# KiCad board panel9.kicad_pcb
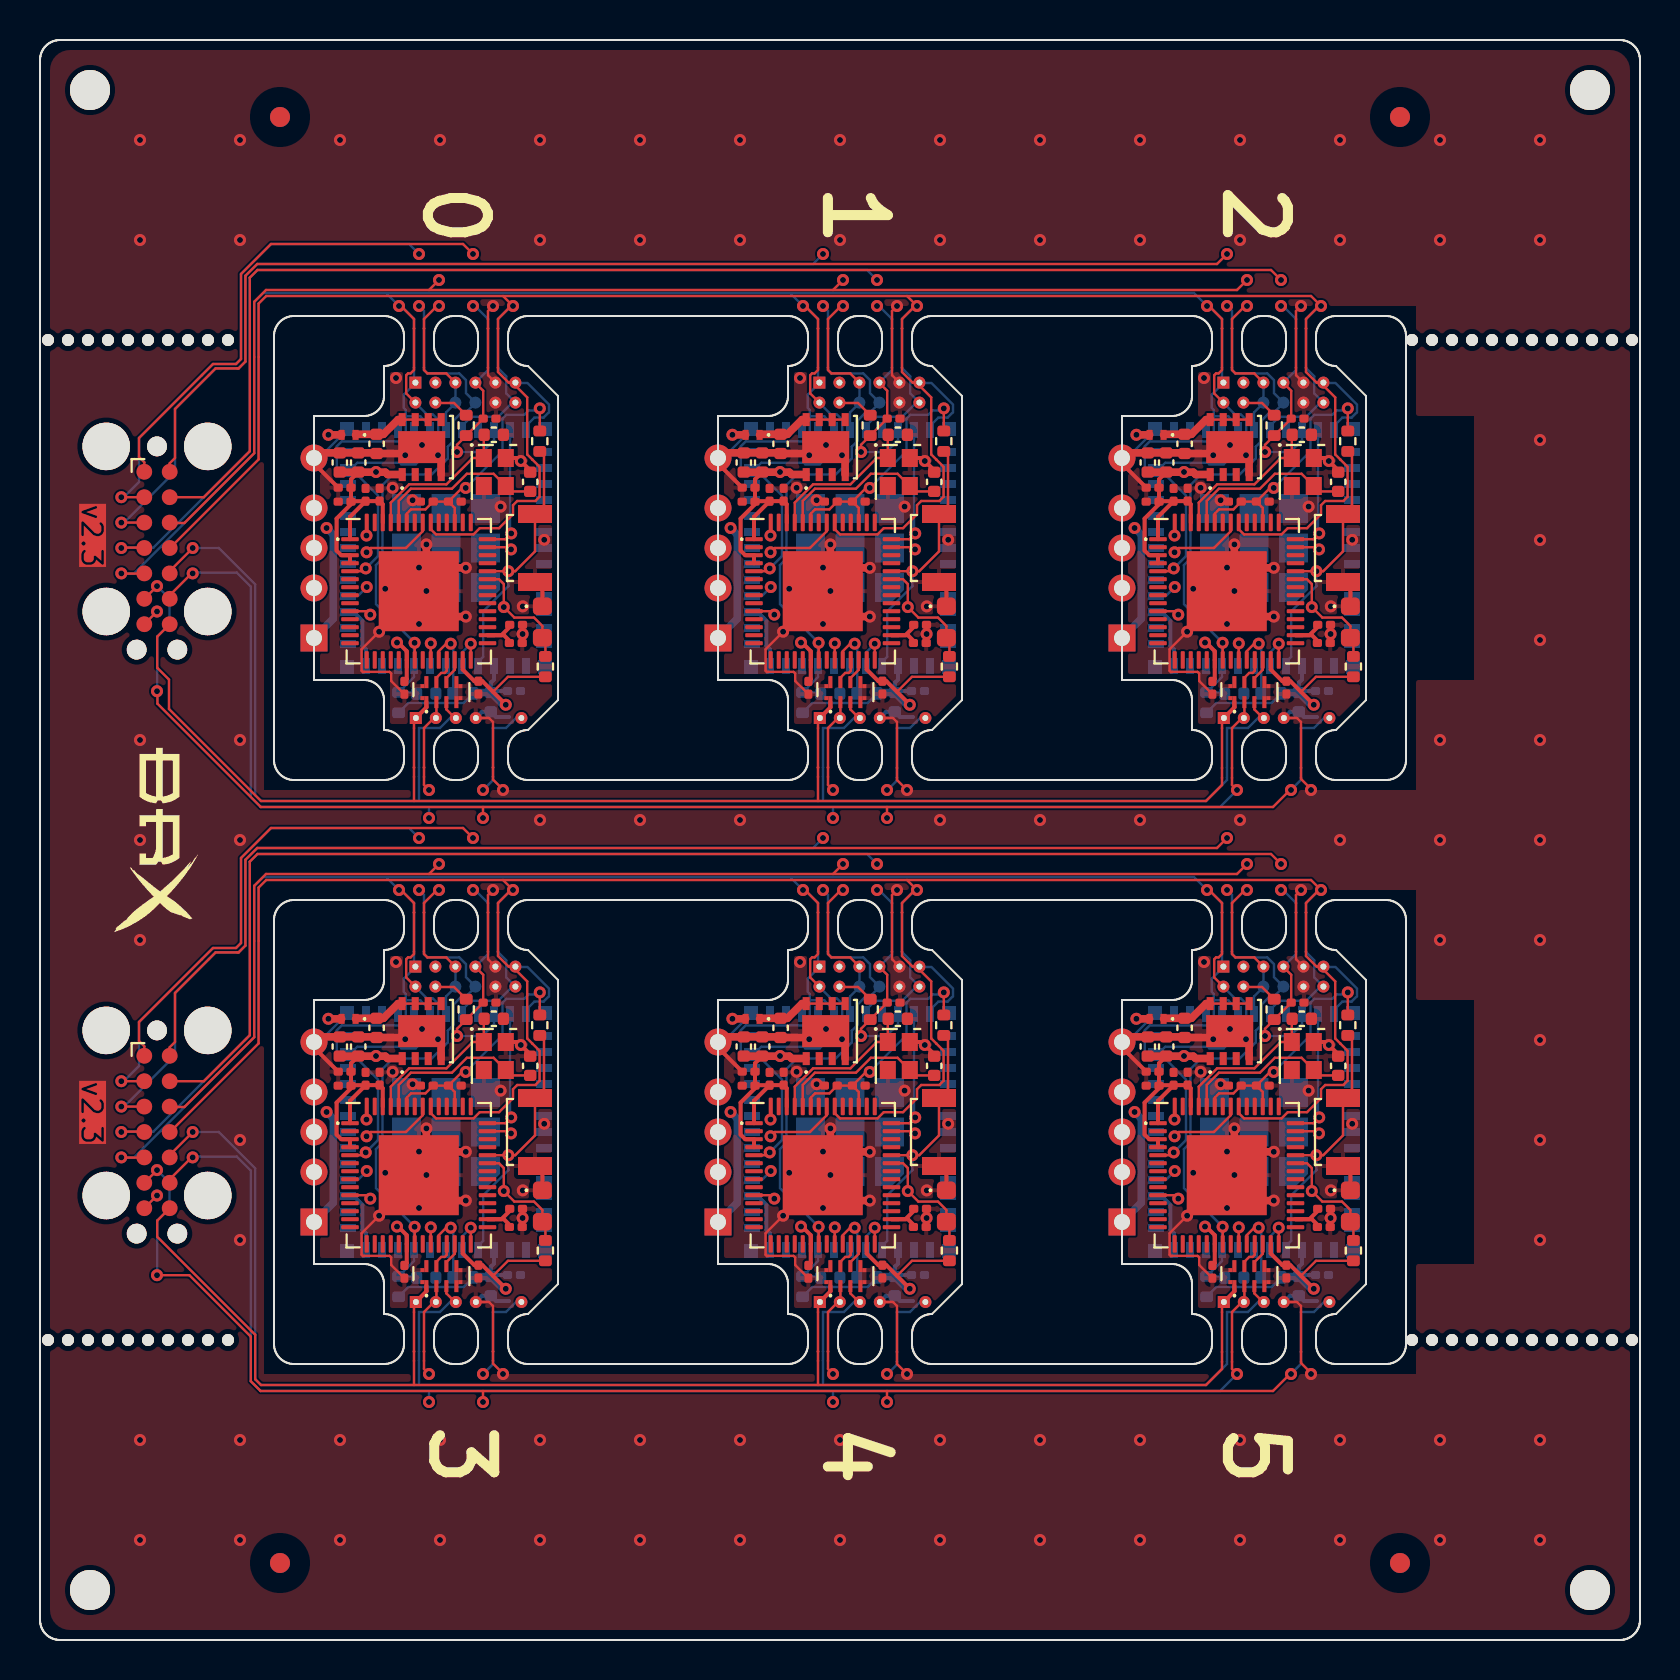
[diagram p0: board, top side]
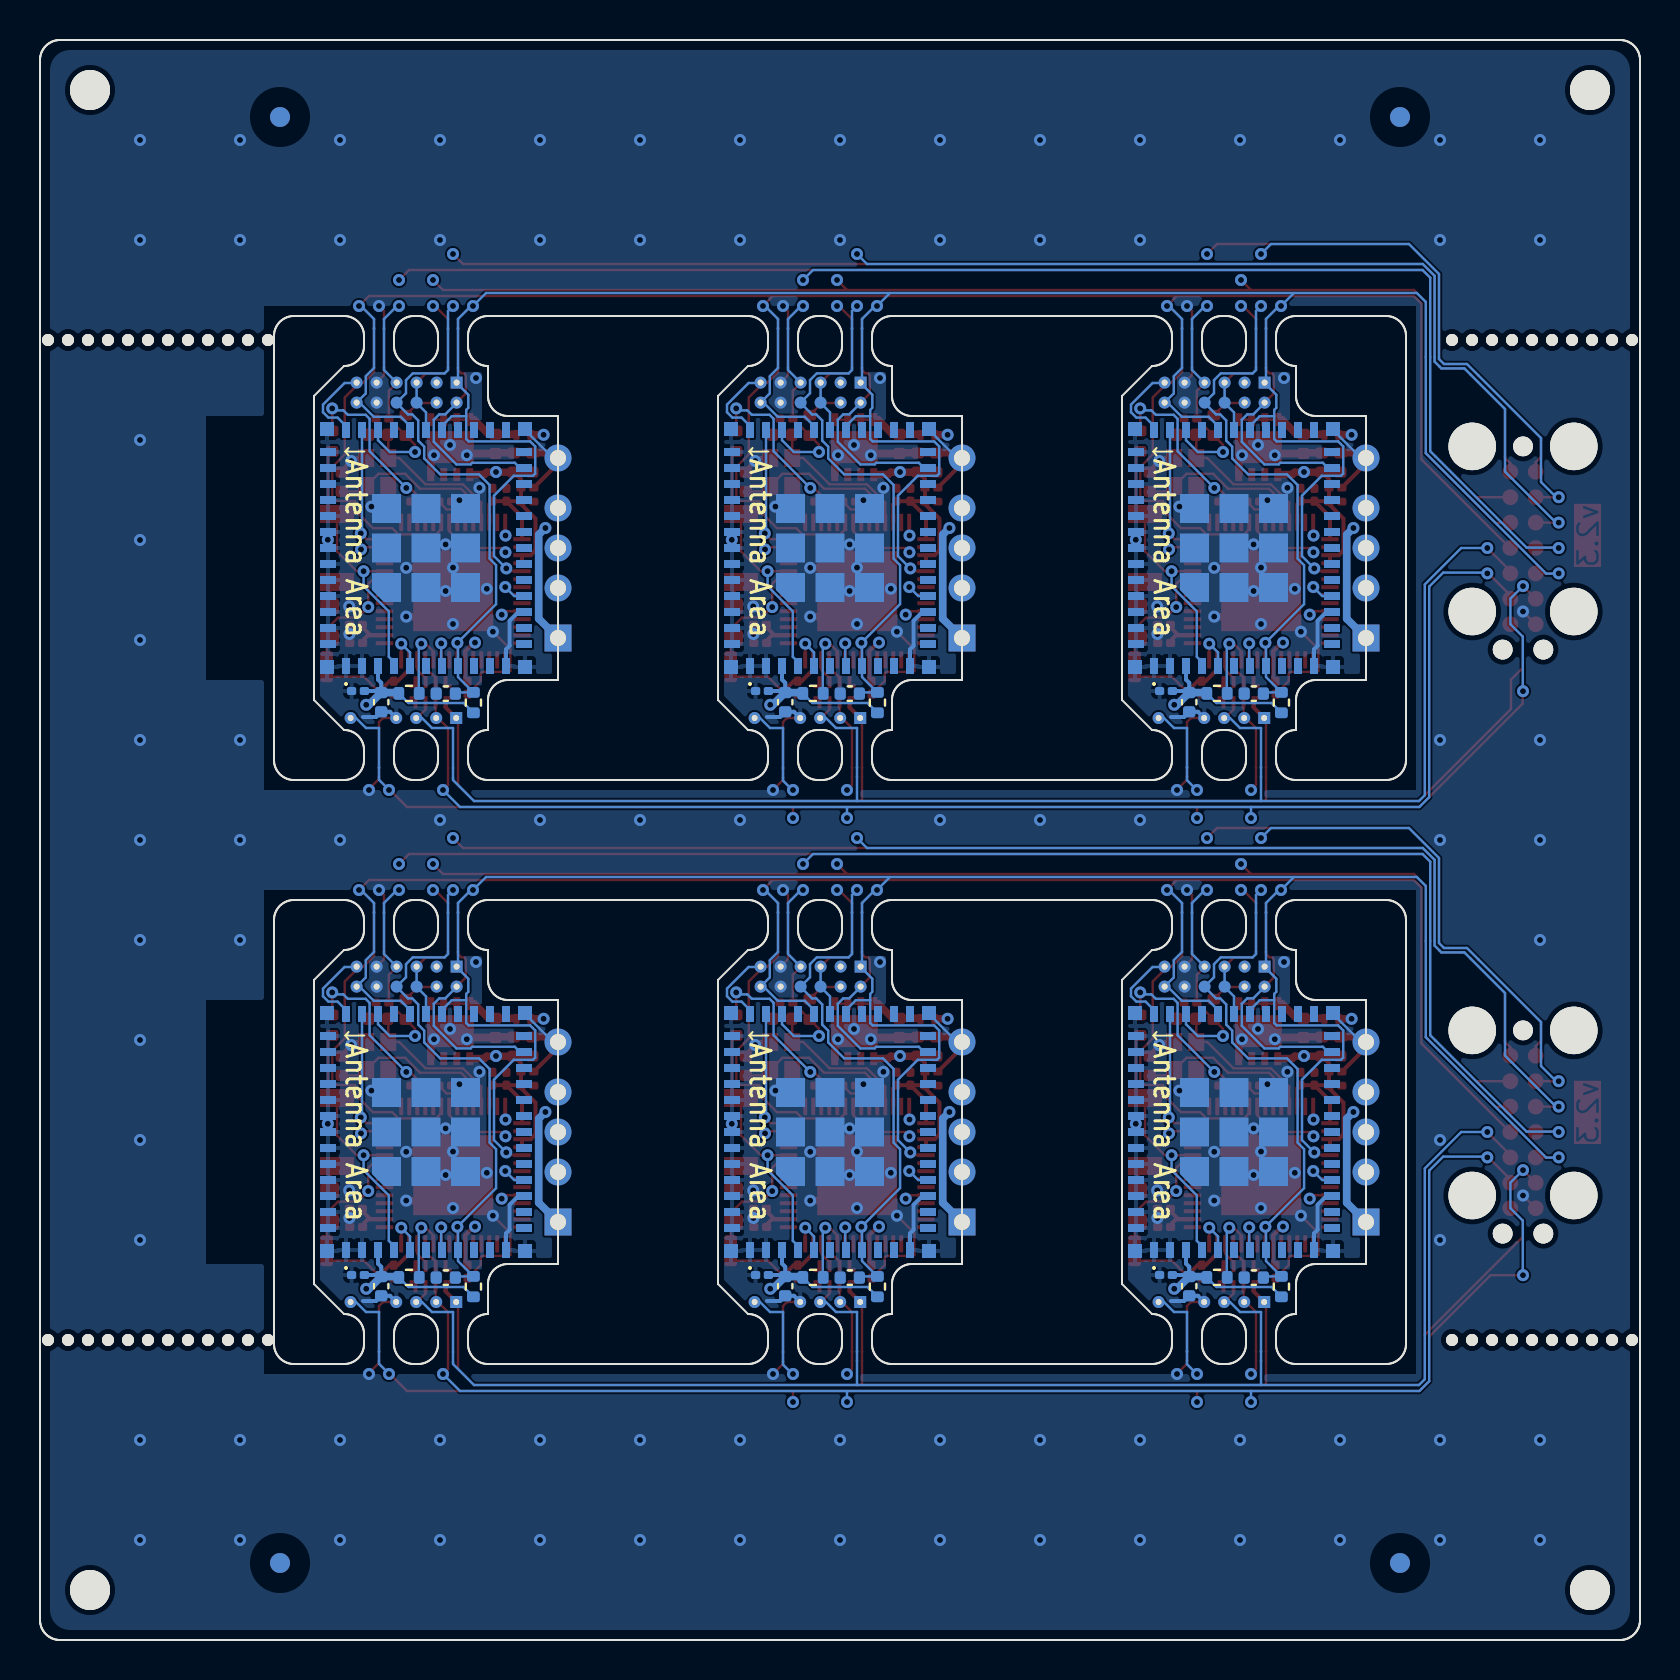
[diagram p1: board, bottom side, seen from below]

Outline 80 x 80 mm; copper layers: Top, In1.Cu, In2.Cu, Bottom. Coordinates in mm from the lower left corner of the outline.
Stack: Top 0.035mm / dielectric 0.1mm FR4 er 4.5 / In1.Cu 0.035mm / dielectric 1.24mm FR4 er 4.5 / In2.Cu 0.035mm / dielectric 0.1mm FR4 er 4.5 / Bottom 0.035mm

## Placement (name value [footprint] x y rotation side)
C1  0.1u  [C_0201_0603Metric]  18.22 47.61 270 top
C1#2  0.1u  [C_0201_0603Metric]  38.42 18.41 270 top
C1#3  0.1u  [C_0201_0603Metric]  58.62 47.61 270 top
C1#4  0.1u  [C_0201_0603Metric]  38.42 47.61 270 top
C1#5  0.1u  [C_0201_0603Metric]  18.22 18.41 270 top
C1#6  0.1u  [C_0201_0603Metric]  58.62 18.41 270 top
C2  0.1u  [C_0201_0603Metric]  55.63 27.72 180 top
C2#2  0.1u  [C_0201_0603Metric]  15.23 56.91 180 top
C2#3  0.1u  [C_0201_0603Metric]  35.43 56.91 180 top
C2#4  0.1u  [C_0201_0603Metric]  55.63 56.91 180 top
C2#5  0.1u  [C_0201_0603Metric]  15.23 27.72 180 top
C2#6  0.1u  [C_0201_0603Metric]  35.43 27.72 180 top
C3  1u  [C_0201_0603Metric]  15.23 57.62 180 top
C3#2  1u  [C_0201_0603Metric]  55.63 57.62 180 top
C3#3  1u  [C_0201_0603Metric]  35.43 57.62 180 top
C3#4  1u  [C_0201_0603Metric]  55.63 28.42 180 top
C3#5  1u  [C_0201_0603Metric]  15.23 28.42 180 top
C3#6  1u  [C_0201_0603Metric]  35.43 28.42 180 top
C4  10u  [C_0402_1005Metric]  14.99 58.88 90 top
C4#2  10u  [C_0402_1005Metric]  14.99 29.67 90 top
C4#3  10u  [C_0402_1005Metric]  35.19 58.88 90 top
C4#4  10u  [C_0402_1005Metric]  55.39 58.88 90 top
C4#5  10u  [C_0402_1005Metric]  35.19 29.67 90 top
C4#6  10u  [C_0402_1005Metric]  55.39 29.67 90 top
C5  10u  [C_0402_1005Metric]  39.51 47.32 0 bottom
C5#2  10u  [C_0402_1005Metric]  39.51 18.12 0 bottom
C5#3  10u  [C_0402_1005Metric]  59.71 18.12 0 bottom
C5#4  10u  [C_0402_1005Metric]  19.31 47.32 0 bottom
C5#5  10u  [C_0402_1005Metric]  59.71 47.32 0 bottom
C5#6  10u  [C_0402_1005Metric]  19.31 18.12 0 bottom
C6  0.1u  [C_0201_0603Metric]  62.32 18.42 270 top
C6#2  0.1u  [C_0201_0603Metric]  42.12 18.42 270 top
C6#3  0.1u  [C_0201_0603Metric]  21.92 47.62 270 top
C6#4  0.1u  [C_0201_0603Metric]  62.32 47.62 270 top
C6#5  0.1u  [C_0201_0603Metric]  42.12 47.62 270 top
C6#6  0.1u  [C_0201_0603Metric]  21.92 18.42 270 top
C7  100p  [C_0201_0603Metric]  57.38 28.06 90 top
C7#2  100p  [C_0201_0603Metric]  16.98 57.27 90 top
C7#3  100p  [C_0201_0603Metric]  57.38 57.27 90 top
C7#4  100p  [C_0201_0603Metric]  16.98 28.06 90 top
C7#5  100p  [C_0201_0603Metric]  37.18 28.06 90 top
C7#6  100p  [C_0201_0603Metric]  37.18 57.27 90 top
C8  0.1u  [C_0201_0603Metric]  36.48 28.06 90 top
C8#2  0.1u  [C_0201_0603Metric]  56.68 28.06 90 top
C8#3  0.1u  [C_0201_0603Metric]  16.28 28.06 90 top
C8#4  0.1u  [C_0201_0603Metric]  16.28 57.26 90 top
C8#5  0.1u  [C_0201_0603Metric]  56.68 57.26 90 top
C8#6  0.1u  [C_0201_0603Metric]  36.48 57.26 90 top
C9  1u  [C_0201_0603Metric]  19.34 56.92 180 top
C9#2  1u  [C_0201_0603Metric]  59.74 27.72 180 top
C9#3  1u  [C_0201_0603Metric]  59.74 56.92 180 top
C9#4  1u  [C_0201_0603Metric]  39.54 56.92 180 top
C9#5  1u  [C_0201_0603Metric]  19.34 27.72 180 top
C9#6  1u  [C_0201_0603Metric]  39.54 27.72 180 top
C10  0.1u  [C_0201_0603Metric]  64.19 20.65 0 top
C10#2  0.1u  [C_0201_0603Metric]  43.99 49.85 0 top
C10#3  0.1u  [C_0201_0603Metric]  43.99 20.65 0 top
C10#4  0.1u  [C_0201_0603Metric]  23.79 49.85 0 top
C10#5  0.1u  [C_0201_0603Metric]  23.79 20.65 0 top
C10#6  0.1u  [C_0201_0603Metric]  64.19 49.85 0 top
C11  1u  [C_0201_0603Metric]  44 21.56 0 top
C11#2  1u  [C_0201_0603Metric]  64.21 50.76 0 top
C11#3  1u  [C_0201_0603Metric]  23.81 21.56 0 top
C11#4  1u  [C_0201_0603Metric]  23.81 50.76 0 top
C11#5  1u  [C_0201_0603Metric]  64.21 21.56 0 top
C11#6  1u  [C_0201_0603Metric]  44 50.76 0 top
C12  0.1u  [C_0201_0603Metric]  20.74 56.92 0 top
C12#2  0.1u  [C_0201_0603Metric]  20.74 27.72 0 top
C12#3  0.1u  [C_0201_0603Metric]  61.14 27.72 0 top
C12#4  0.1u  [C_0201_0603Metric]  61.14 56.92 0 top
C12#5  0.1u  [C_0201_0603Metric]  40.94 27.72 0 top
C12#6  0.1u  [C_0201_0603Metric]  40.94 56.92 0 top
C13  0.1u  [C_0201_0603Metric]  43.9 47.45 0 bottom
C13#2  0.1u  [C_0201_0603Metric]  23.7 47.45 0 bottom
C13#3  0.1u  [C_0201_0603Metric]  64.1 18.25 0 bottom
C13#4  0.1u  [C_0201_0603Metric]  64.1 47.45 0 bottom
C13#5  0.1u  [C_0201_0603Metric]  43.9 18.25 0 bottom
C13#6  0.1u  [C_0201_0603Metric]  23.7 18.25 0 bottom
C14  10u  [C_0402_1005Metric]  22.54 46.89 270 bottom
C14#2  10u  [C_0402_1005Metric]  22.54 17.69 270 bottom
C14#3  10u  [C_0402_1005Metric]  42.74 17.69 270 bottom
C14#4  10u  [C_0402_1005Metric]  62.94 17.69 270 bottom
C14#5  10u  [C_0402_1005Metric]  42.74 46.89 270 bottom
C14#6  10u  [C_0402_1005Metric]  62.94 46.89 270 bottom
C15  0.1u  [C_0201_0603Metric]  62.88 61.07 0 top
C15#2  0.1u  [C_0201_0603Metric]  42.68 31.87 0 top
C15#3  0.1u  [C_0201_0603Metric]  22.48 31.87 0 top
C15#4  0.1u  [C_0201_0603Metric]  42.68 61.07 0 top
C15#5  0.1u  [C_0201_0603Metric]  62.88 31.87 0 top
C15#6  0.1u  [C_0201_0603Metric]  22.48 61.07 0 top
C16  10u  [C_0402_1005Metric]  16.83 59.8 270 top
C16#2  10u  [C_0402_1005Metric]  37.03 30.61 270 top
C16#3  10u  [C_0402_1005Metric]  16.83 30.61 270 top
C16#4  10u  [C_0402_1005Metric]  57.23 59.8 270 top
C16#5  10u  [C_0402_1005Metric]  57.23 30.61 270 top
C16#6  10u  [C_0402_1005Metric]  37.03 59.8 270 top
C17  10u  [C_0402_1005Metric]  56.31 29.67 90 top
C17#2  10u  [C_0402_1005Metric]  36.11 29.67 90 top
C17#3  10u  [C_0402_1005Metric]  15.91 29.67 90 top
C17#4  10u  [C_0402_1005Metric]  56.31 58.88 90 top
C17#5  10u  [C_0402_1005Metric]  36.11 58.88 90 top
C17#6  10u  [C_0402_1005Metric]  15.91 58.88 90 top
C18  20p  [C_0402_1005Metric]  24.51 57.91 90 top
C18#2  20p  [C_0402_1005Metric]  44.71 28.71 90 top
C18#3  20p  [C_0402_1005Metric]  64.91 28.71 90 top
C18#4  20p  [C_0402_1005Metric]  24.51 28.71 90 top
C18#5  20p  [C_0402_1005Metric]  44.71 57.91 90 top
C18#6  20p  [C_0402_1005Metric]  64.91 57.91 90 top
C19  20p  [C_0402_1005Metric]  42.89 31.06 0 top
C19#2  20p  [C_0402_1005Metric]  22.69 60.26 0 top
C19#3  20p  [C_0402_1005Metric]  42.89 60.26 0 top
C19#4  20p  [C_0402_1005Metric]  22.69 31.06 0 top
C19#5  20p  [C_0402_1005Metric]  63.09 60.26 0 top
C19#6  20p  [C_0402_1005Metric]  63.09 31.06 0 top
D1  PMEG6010ESBYL  [DSN1006-2_0.6x1mm_P0.65mm]  55.83 31.06 180 top
D1#2  PMEG6010ESBYL  [DSN1006-2_0.6x1mm_P0.65mm]  15.43 60.26 180 top
D1#3  PMEG6010ESBYL  [DSN1006-2_0.6x1mm_P0.65mm]  35.63 31.06 180 top
D1#4  PMEG6010ESBYL  [DSN1006-2_0.6x1mm_P0.65mm]  15.43 31.06 180 top
D1#5  PMEG6010ESBYL  [DSN1006-2_0.6x1mm_P0.65mm]  55.83 60.26 180 top
D1#6  PMEG6010ESBYL  [DSN1006-2_0.6x1mm_P0.65mm]  35.63 60.26 180 top
D6  Green  [LED_0603_1608Metric]  65.52 50.9 270 top
D6#2  Green  [LED_0603_1608Metric]  45.32 50.9 270 top
D6#3  Green  [LED_0603_1608Metric]  25.12 21.7 270 top
D6#4  Green  [LED_0603_1608Metric]  25.12 50.9 270 top
D6#5  Green  [LED_0603_1608Metric]  65.52 21.7 270 top
D6#6  Green  [LED_0603_1608Metric]  45.32 21.7 270 top
G***  LOGO  [brx_logo]  5.84 40.15 270 top
J1  Xbox_Ctrl  [Xbox_PinHeader_1x05_P2.00mm_Vertical]  54.1 54.6 180 top
J1#2  Xbox_Ctrl  [Xbox_PinHeader_1x05_P2.00mm_Vertical]  54.1 25.4 180 top
J1#3  Xbox_Ctrl  [Xbox_PinHeader_1x05_P2.00mm_Vertical]  33.9 25.4 180 top
J1#4  Xbox_Ctrl  [Xbox_PinHeader_1x05_P2.00mm_Vertical]  13.7 54.6 180 top
J1#5  Xbox_Ctrl  [Xbox_PinHeader_1x05_P2.00mm_Vertical]  33.9 54.6 180 top
J1#6  Xbox_Ctrl  [Xbox_PinHeader_1x05_P2.00mm_Vertical]  13.7 25.4 180 top
J2  ICSP  [PinHeader_2x06_P1.00mm]  18.77 62.87 270 bottom
J2#2  ICSP  [PinHeader_2x06_P1.00mm]  38.97 62.87 270 bottom
J2#3  ICSP  [PinHeader_2x06_P1.00mm]  38.97 33.67 270 bottom
J2#4  ICSP  [PinHeader_2x06_P1.00mm]  18.77 33.67 270 bottom
J2#5  ICSP  [PinHeader_2x06_P1.00mm]  59.17 62.87 270 bottom
J2#6  ICSP  [PinHeader_2x06_P1.00mm]  59.17 33.67 270 bottom
J3  USB TP  [PinHeader_1x04_P1.00mm_Vertical]  18.79 46.1 90 top
J3#2  USB TP  [PinHeader_1x04_P1.00mm_Vertical]  38.99 46.1 90 top
J3#3  USB TP  [PinHeader_1x04_P1.00mm_Vertical]  38.99 16.9 90 top
J3#4  USB TP  [PinHeader_1x04_P1.00mm_Vertical]  59.19 16.9 90 top
J3#5  USB TP  [PinHeader_1x04_P1.00mm_Vertical]  18.79 16.9 90 top
J3#6  USB TP  [PinHeader_1x04_P1.00mm_Vertical]  59.19 46.1 90 top
J4  BTN TP  [TestPoint_1x01]  24.07 46.1 0 top
J4#2  BTN TP  [TestPoint_1x01]  44.27 46.1 0 top
J4#3  BTN TP  [TestPoint_1x01]  44.27 16.9 0 top
J4#4  BTN TP  [TestPoint_1x01]  24.07 16.9 0 top
J4#5  BTN TP  [TestPoint_1x01]  64.47 16.9 0 top
J4#6  BTN TP  [TestPoint_1x01]  64.47 46.1 0 top
KiKit_FID_B_1  -  [Fiducial]  12 76.15 180 bottom
KiKit_FID_B_2  -  [Fiducial]  68 76.15 180 bottom
KiKit_FID_B_3  -  [Fiducial]  12 3.85 180 bottom
KiKit_FID_B_4  -  [Fiducial]  68 3.85 180 bottom
KiKit_FID_T_1  -  [Fiducial]  12 76.15 0 top
KiKit_FID_T_2  -  [Fiducial]  68 76.15 0 top
KiKit_FID_T_3  -  [Fiducial]  12 3.85 0 top
KiKit_FID_T_4  -  [Fiducial]  68 3.85 0 top
KiKit_TO_1  -  [NPTH]  2.5 77.5 0 top
KiKit_TO_2  -  [NPTH]  77.5 77.5 0 top
KiKit_TO_3  -  [NPTH]  2.5 2.5 0 top
KiKit_TO_4  -  [NPTH]  77.5 2.5 0 top
NOREF  -  [unnamed]  76.6 65 0 top
NOREF#2  -  [unnamed]  75.6 65 0 top
NOREF#3  -  [unnamed]  72.6 65 0 top
NOREF#4  -  [unnamed]  70.6 15 0 top
NOREF#5  -  [unnamed]  8.4 65 0 top
NOREF#6  -  [unnamed]  74.6 65 0 top
NOREF#7  -  [unnamed]  3.4 15 0 top
NOREF#8  -  [unnamed]  3.4 65 0 top
NOREF#9  -  [unnamed]  78.6 65 0 top
NOREF#10  -  [unnamed]  69.6 15 0 top
NOREF#11  -  [unnamed]  7.4 15 0 top
NOREF#12  -  [unnamed]  4.4 15 0 top
NOREF#13  -  [unnamed]  77.6 15 0 top
NOREF#14  -  [unnamed]  7.4 65 0 top
NOREF#15  -  [unnamed]  0.4 65 0 top
NOREF#16  -  [unnamed]  2.4 15 0 top
NOREF#17  -  [unnamed]  2.4 65 0 top
NOREF#18  -  [unnamed]  5.4 65 0 top
NOREF#19  -  [unnamed]  5.4 15 0 top
NOREF#20  -  [unnamed]  6.4 15 0 top
NOREF#21  -  [unnamed]  68.6 15 0 top
NOREF#22  -  [unnamed]  68.6 65 0 top
NOREF#23  -  [unnamed]  6.4 65 0 top
NOREF#24  -  [unnamed]  8.4 15 0 top
NOREF#25  -  [unnamed]  69.6 65 0 top
NOREF#26  -  [unnamed]  76.6 15 0 top
NOREF#27  -  [unnamed]  9.4 65 0 top
NOREF#28  -  [unnamed]  1.4 15 0 top
NOREF#29  -  [unnamed]  78.6 15 0 top
NOREF#30  -  [unnamed]  73.6 65 0 top
NOREF#31  -  [unnamed]  0.4 15 0 top
NOREF#32  -  [unnamed]  71.6 65 0 top
NOREF#33  -  [unnamed]  70.6 65 0 top
NOREF#34  -  [unnamed]  4.4 65 0 top
NOREF#35  -  [unnamed]  74.6 15 0 top
NOREF#36  -  [unnamed]  9.4 15 0 top
NOREF#37  -  [unnamed]  1.4 65 0 top
NOREF#38  -  [unnamed]  77.6 65 0 top
NOREF#39  -  [unnamed]  75.6 15 0 top
NOREF#40  -  [unnamed]  71.6 15 0 top
NOREF#41  -  [unnamed]  73.6 15 0 top
NOREF#42  -  [unnamed]  72.6 15 0 top
NT1  NetTie  [NetTie_SMD_Pad0.12mm]  38.9 64.6 90 bottom
NT1#2  NetTie  [NetTie_SMD_Pad0.12mm]  18.7 64.6 90 bottom
NT1#3  NetTie  [NetTie_SMD_Pad0.12mm]  59.1 64.6 90 bottom
NT1#4  NetTie  [NetTie_SMD_Pad0.12mm]  38.9 35.4 90 bottom
NT1#5  NetTie  [NetTie_SMD_Pad0.12mm]  18.7 35.4 90 bottom
NT1#6  NetTie  [NetTie_SMD_Pad0.12mm]  59.1 35.4 90 bottom
NT2  NetTie  [NetTie_SMD_Pad0.12mm]  38.9 35.4 90 top
NT2#2  NetTie  [NetTie_SMD_Pad0.12mm]  18.7 64.6 90 top
NT2#3  NetTie  [NetTie_SMD_Pad0.12mm]  18.7 35.4 90 top
NT2#4  NetTie  [NetTie_SMD_Pad0.12mm]  38.9 64.6 90 top
NT2#5  NetTie  [NetTie_SMD_Pad0.12mm]  59.1 35.4 90 top
NT2#6  NetTie  [NetTie_SMD_Pad0.12mm]  59.1 64.6 90 top
NT3  NetTie  [NetTie_SMD_Pad0.12mm]  39.4 35.4 90 top
NT3#2  NetTie  [NetTie_SMD_Pad0.12mm]  19.2 64.6 90 top
NT3#3  NetTie  [NetTie_SMD_Pad0.12mm]  59.6 64.6 90 top
NT3#4  NetTie  [NetTie_SMD_Pad0.12mm]  59.6 35.4 90 top
NT3#5  NetTie  [NetTie_SMD_Pad0.12mm]  19.2 35.4 90 top
NT3#6  NetTie  [NetTie_SMD_Pad0.12mm]  39.4 64.6 90 top
NT4  NetTie  [NetTie_SMD_Pad0.12mm]  22.4 64.6 90 bottom
NT4#2  NetTie  [NetTie_SMD_Pad0.12mm]  62.8 35.4 90 bottom
NT4#3  NetTie  [NetTie_SMD_Pad0.12mm]  42.6 35.4 90 bottom
NT4#4  NetTie  [NetTie_SMD_Pad0.12mm]  62.8 64.6 90 bottom
NT4#5  NetTie  [NetTie_SMD_Pad0.12mm]  42.6 64.6 90 bottom
NT4#6  NetTie  [NetTie_SMD_Pad0.12mm]  22.4 35.4 90 bottom
NT5  NetTie  [NetTie_SMD_Pad0.12mm]  19.2 64.6 90 bottom
NT5#2  NetTie  [NetTie_SMD_Pad0.12mm]  39.4 35.4 90 bottom
NT5#3  NetTie  [NetTie_SMD_Pad0.12mm]  39.4 64.6 90 bottom
NT5#4  NetTie  [NetTie_SMD_Pad0.12mm]  19.2 35.4 90 bottom
NT5#5  NetTie  [NetTie_SMD_Pad0.12mm]  59.6 64.6 90 bottom
NT5#6  NetTie  [NetTie_SMD_Pad0.12mm]  59.6 35.4 90 bottom
NT6  NetTie  [NetTie_SMD_Pad0.12mm]  43.1 35.4 90 top
NT6#2  NetTie  [NetTie_SMD_Pad0.12mm]  22.9 64.6 90 top
NT6#3  NetTie  [NetTie_SMD_Pad0.12mm]  63.3 64.6 90 top
NT6#4  NetTie  [NetTie_SMD_Pad0.12mm]  63.3 35.4 90 top
NT6#5  NetTie  [NetTie_SMD_Pad0.12mm]  43.1 64.6 90 top
NT6#6  NetTie  [NetTie_SMD_Pad0.12mm]  22.9 35.4 90 top
NT7  NetTie  [NetTie_SMD_Pad0.12mm]  43.1 35.4 90 bottom
NT7#2  NetTie  [NetTie_SMD_Pad0.12mm]  22.9 64.6 90 bottom
NT7#3  NetTie  [NetTie_SMD_Pad0.12mm]  22.9 35.4 90 bottom
NT7#4  NetTie  [NetTie_SMD_Pad0.12mm]  63.3 35.4 90 bottom
NT7#5  NetTie  [NetTie_SMD_Pad0.12mm]  43.1 64.6 90 bottom
NT7#6  NetTie  [NetTie_SMD_Pad0.12mm]  63.3 64.6 90 bottom
NT8  NetTie  [NetTie_SMD_Pad0.12mm]  22.4 64.6 90 top
NT8#2  NetTie  [NetTie_SMD_Pad0.12mm]  62.8 35.4 90 top
NT8#3  NetTie  [NetTie_SMD_Pad0.12mm]  22.4 35.4 90 top
NT8#4  NetTie  [NetTie_SMD_Pad0.12mm]  62.8 64.6 90 top
NT8#5  NetTie  [NetTie_SMD_Pad0.12mm]  42.6 64.6 90 top
NT8#6  NetTie  [NetTie_SMD_Pad0.12mm]  42.6 35.4 90 top
NT9  NetTie  [NetTie_SMD_Pad0.12mm]  18.7 44.6 270 top
NT9#2  NetTie  [NetTie_SMD_Pad0.12mm]  59.1 44.6 270 top
NT9#3  NetTie  [NetTie_SMD_Pad0.12mm]  59.1 15.4 270 top
NT9#4  NetTie  [NetTie_SMD_Pad0.12mm]  38.9 44.6 270 top
NT9#5  NetTie  [NetTie_SMD_Pad0.12mm]  38.9 15.4 270 top
NT9#6  NetTie  [NetTie_SMD_Pad0.12mm]  18.7 15.4 270 top
NT10  NetTie  [NetTie_SMD_Pad0.12mm]  19.2 15.4 270 top
NT10#2  NetTie  [NetTie_SMD_Pad0.12mm]  39.4 15.4 270 top
NT10#3  NetTie  [NetTie_SMD_Pad0.12mm]  59.6 15.4 270 top
NT10#4  NetTie  [NetTie_SMD_Pad0.12mm]  39.4 44.6 270 top
NT10#5  NetTie  [NetTie_SMD_Pad0.12mm]  19.2 44.6 270 top
NT10#6  NetTie  [NetTie_SMD_Pad0.12mm]  59.6 44.6 270 top
NT11  NetTie  [NetTie_SMD_Pad0.12mm]  59.35 44.6 270 bottom
NT11#2  NetTie  [NetTie_SMD_Pad0.12mm]  18.95 44.6 270 bottom
NT11#3  NetTie  [NetTie_SMD_Pad0.12mm]  39.15 44.6 270 bottom
NT11#4  NetTie  [NetTie_SMD_Pad0.12mm]  39.15 15.4 270 bottom
NT11#5  NetTie  [NetTie_SMD_Pad0.12mm]  59.35 15.4 270 bottom
NT11#6  NetTie  [NetTie_SMD_Pad0.12mm]  18.95 15.4 270 bottom
NT12  NetTie  [NetTie_SMD_Pad0.12mm]  22.65 44.6 270 bottom
NT12#2  NetTie  [NetTie_SMD_Pad0.12mm]  42.85 44.6 270 bottom
NT12#3  NetTie  [NetTie_SMD_Pad0.12mm]  22.65 15.4 270 bottom
NT12#4  NetTie  [NetTie_SMD_Pad0.12mm]  63.05 15.4 270 bottom
NT12#5  NetTie  [NetTie_SMD_Pad0.12mm]  63.05 44.6 270 bottom
NT12#6  NetTie  [NetTie_SMD_Pad0.12mm]  42.85 15.4 270 bottom
NT13  NetTie  [NetTie_SMD_Pad0.12mm]  63.05 15.4 270 top
NT13#2  NetTie  [NetTie_SMD_Pad0.12mm]  42.85 44.6 270 top
NT13#3  NetTie  [NetTie_SMD_Pad0.12mm]  42.85 15.4 270 top
NT13#4  NetTie  [NetTie_SMD_Pad0.12mm]  22.65 15.4 270 top
NT13#5  NetTie  [NetTie_SMD_Pad0.12mm]  22.65 44.6 270 top
NT13#6  NetTie  [NetTie_SMD_Pad0.12mm]  63.05 44.6 270 top
R1  10K  [R_0402_1005Metric]  45.19 30.74 90 top
R1#2  10K  [R_0402_1005Metric]  24.99 30.74 90 top
R1#3  10K  [R_0402_1005Metric]  65.39 59.94 90 top
R1#4  10K  [R_0402_1005Metric]  65.39 30.74 90 top
R1#5  10K  [R_0402_1005Metric]  45.19 59.94 90 top
R1#6  10K  [R_0402_1005Metric]  24.99 59.94 90 top
R4  10K  [R_0402_1005Metric]  21.31 31.53 90 top
R4#2  10K  [R_0402_1005Metric]  41.51 31.53 90 top
R4#3  10K  [R_0402_1005Metric]  61.71 31.53 90 top
R4#4  10K  [R_0402_1005Metric]  61.71 60.73 90 top
R4#5  10K  [R_0402_1005Metric]  21.31 60.73 90 top
R4#6  10K  [R_0402_1005Metric]  41.51 60.73 90 top
R6  10K  [R_0402_1005Metric]  38.13 17.67 270 bottom
R6#2  10K  [R_0402_1005Metric]  17.93 46.87 270 bottom
R6#3  10K  [R_0402_1005Metric]  17.93 17.67 270 bottom
R6#4  10K  [R_0402_1005Metric]  38.13 46.87 270 bottom
R6#5  10K  [R_0402_1005Metric]  58.33 46.87 270 bottom
R6#6  10K  [R_0402_1005Metric]  58.33 17.67 270 bottom
R10  10K  [R_0402_1005Metric]  61.55 47.33 0 bottom
R10#2  10K  [R_0402_1005Metric]  21.15 18.13 0 bottom
R10#3  10K  [R_0402_1005Metric]  41.35 18.13 0 bottom
R10#4  10K  [R_0402_1005Metric]  41.35 47.33 0 bottom
R10#5  10K  [R_0402_1005Metric]  61.55 18.13 0 bottom
R10#6  10K  [R_0402_1005Metric]  21.15 47.33 0 bottom
R11  100  [R_0402_1005Metric]  65.67 19.47 270 top
R11#2  100  [R_0402_1005Metric]  25.27 19.47 270 top
R11#3  100  [R_0402_1005Metric]  45.47 19.47 270 top
R11#4  100  [R_0402_1005Metric]  25.27 48.67 270 top
R11#5  100  [R_0402_1005Metric]  45.47 48.67 270 top
R11#6  100  [R_0402_1005Metric]  65.67 48.67 270 top
REF**  -  [NetTie_SMD_Pad0.12mm_0.5mm]  19.2 43.4 90 top
REF**#2  -  [NetTie_SMD_Pad0.12mm_0.5mm]  19.2 14.2 90 top
REF**#3  -  [NetTie_SMD_Pad0.12mm_0.5mm]  63.3 65.8 90 top
REF**#4  -  [NetTie_SMD_Pad0.12mm_0.5mm]  18.7 43.4 90 top
REF**#5  -  [NPTH_MB_0.6mm]  79.6 65 0 top
REF**#6  -  [NetTie_SMD_Pad0.12mm_0.5mm]  59.6 65.8 90 top
REF**#7  -  [NetTie_SMD_Pad0.12mm_0.5mm]  59.1 65.8 90 top
REF**#8  -  [NetTie_SMD_Pad0.12mm_0.5mm]  39.4 65.8 90 top
REF**#9  -  [NetTie_SMD_Pad0.12mm_0.5mm]  38.9 65.8 90 top
REF**#10  -  [NetTie_SMD_Pad0.12mm_0.5mm]  22.4 36.6 90 top
REF**#11  -  [NetTie_SMD_Pad0.12mm_0.5mm]  42.85 14.15 90 top
REF**#12  -  [NetTie_SMD_Pad0.12mm_0.5mm]  18.7 14.2 90 top
REF**#13  -  [NetTie_SMD_Pad0.12mm_0.5mm]  59.6 43.35 90 top
REF**#14  -  [NetTie_SMD_Pad0.12mm_0.5mm]  39.4 43.4 90 top
REF**#15  -  [NetTie_SMD_Pad0.12mm_0.5mm]  38.9 43.4 90 top
REF**#16  -  [NetTie_SMD_Pad0.12mm_0.5mm]  42.85 43.35 90 top
REF**#17  -  [Tag-Connect_TC2070-IDC-FP_2x07_P1.27mm_Vertical]  5.85 54.6 270 top
REF**#18  -  [NetTie_SMD_Pad0.12mm_0.5mm]  59.1 36.6 90 top
REF**#19  -  [NetTie_SMD_Pad0.12mm_0.5mm]  22.65 14.2 90 top
REF**#20  -  [NetTie_SMD_Pad0.12mm_0.5mm]  59.1 14.15 90 top
REF**#21  -  [NetTie_SMD_Pad0.12mm_0.5mm]  19.2 36.6 90 top
REF**#22  -  [NetTie_SMD_Pad0.12mm_0.5mm]  43.1 65.8 90 top
REF**#23  -  [Tag-Connect_TC2070-IDC-FP_2x07_P1.27mm_Vertical]  5.85 25.4 270 top
REF**#24  -  [NetTie_SMD_Pad0.12mm_0.5mm]  59.6 14.15 90 top
REF**#25  -  [NetTie_SMD_Pad0.12mm_0.5mm]  59.1 43.35 90 top
REF**#26  -  [NetTie_SMD_Pad0.12mm_0.5mm]  38.9 36.6 90 top
REF**#27  -  [NetTie_SMD_Pad0.12mm_0.5mm]  18.7 65.8 90 top
REF**#28  -  [NetTie_SMD_Pad0.12mm_0.5mm]  39.4 36.6 90 top
REF**#29  -  [NetTie_SMD_Pad0.12mm_0.5mm]  59.6 36.6 90 top
REF**#30  -  [NetTie_SMD_Pad0.12mm_0.5mm]  42.6 65.8 90 top
REF**#31  -  [NetTie_SMD_Pad0.12mm_0.5mm]  63.05 14.15 90 top
REF**#32  -  [NetTie_SMD_Pad0.12mm_0.5mm]  22.4 65.8 90 top
REF**#33  -  [NetTie_SMD_Pad0.12mm_0.5mm]  63.3 36.6 90 top
REF**#34  -  [NetTie_SMD_Pad0.12mm_0.5mm]  18.7 36.6 90 top
REF**#35  -  [NetTie_SMD_Pad0.12mm_0.5mm]  22.65 43.4 90 top
REF**#36  -  [NetTie_SMD_Pad0.12mm_0.5mm]  22.9 36.6 90 top
REF**#37  -  [NetTie_SMD_Pad0.12mm_0.5mm]  42.6 36.6 90 top
REF**#38  -  [NetTie_SMD_Pad0.12mm_0.5mm]  38.9 14.2 90 top
REF**#39  -  [NetTie_SMD_Pad0.12mm_0.5mm]  19.2 65.8 90 top
REF**#40  -  [NetTie_SMD_Pad0.12mm_0.5mm]  39.4 14.2 90 top
REF**#41  -  [NetTie_SMD_Pad0.12mm_0.5mm]  62.8 65.8 90 top
REF**#42  -  [NetTie_SMD_Pad0.12mm_0.5mm]  62.8 36.6 90 top
REF**#43  -  [NetTie_SMD_Pad0.12mm_0.5mm]  22.9 65.8 90 top
REF**#44  -  [NetTie_SMD_Pad0.12mm_0.5mm]  63.05 43.35 90 top
REF**#45  -  [NetTie_SMD_Pad0.12mm_0.5mm]  43.1 36.6 90 top
REF**#46  -  [NPTH_MB_0.6mm]  79.6 15 0 top
REF**#47  -  [NetTie_SMD_Pad0.12mm_0.5mm]  42.6 65.8 90 bottom
REF**#48  -  [NetTie_SMD_Pad0.12mm_0.5mm]  22.65 14.2 90 bottom
REF**#49  -  [NetTie_SMD_Pad0.12mm_0.5mm]  63.3 36.6 90 bottom
REF**#50  -  [NetTie_SMD_Pad0.12mm_0.5mm]  59.6 65.8 90 bottom
REF**#51  -  [NetTie_SMD_Pad0.12mm_0.5mm]  42.6 36.6 90 bottom
REF**#52  -  [NetTie_SMD_Pad0.12mm_0.5mm]  43.1 36.6 90 bottom
REF**#53  -  [NetTie_SMD_Pad0.12mm_0.5mm]  19.2 36.6 90 bottom
REF**#54  -  [NetTie_SMD_Pad0.12mm_0.5mm]  22.9 65.8 90 bottom
REF**#55  -  [NetTie_SMD_Pad0.12mm_0.5mm]  18.95 43.4 90 bottom